# Altium PCB RK_NVR_DEMO1_RK3588_LP4XD200P232SD8_V21_20211228_final_lint.PcbDoc (part 14 of 29) (continued)
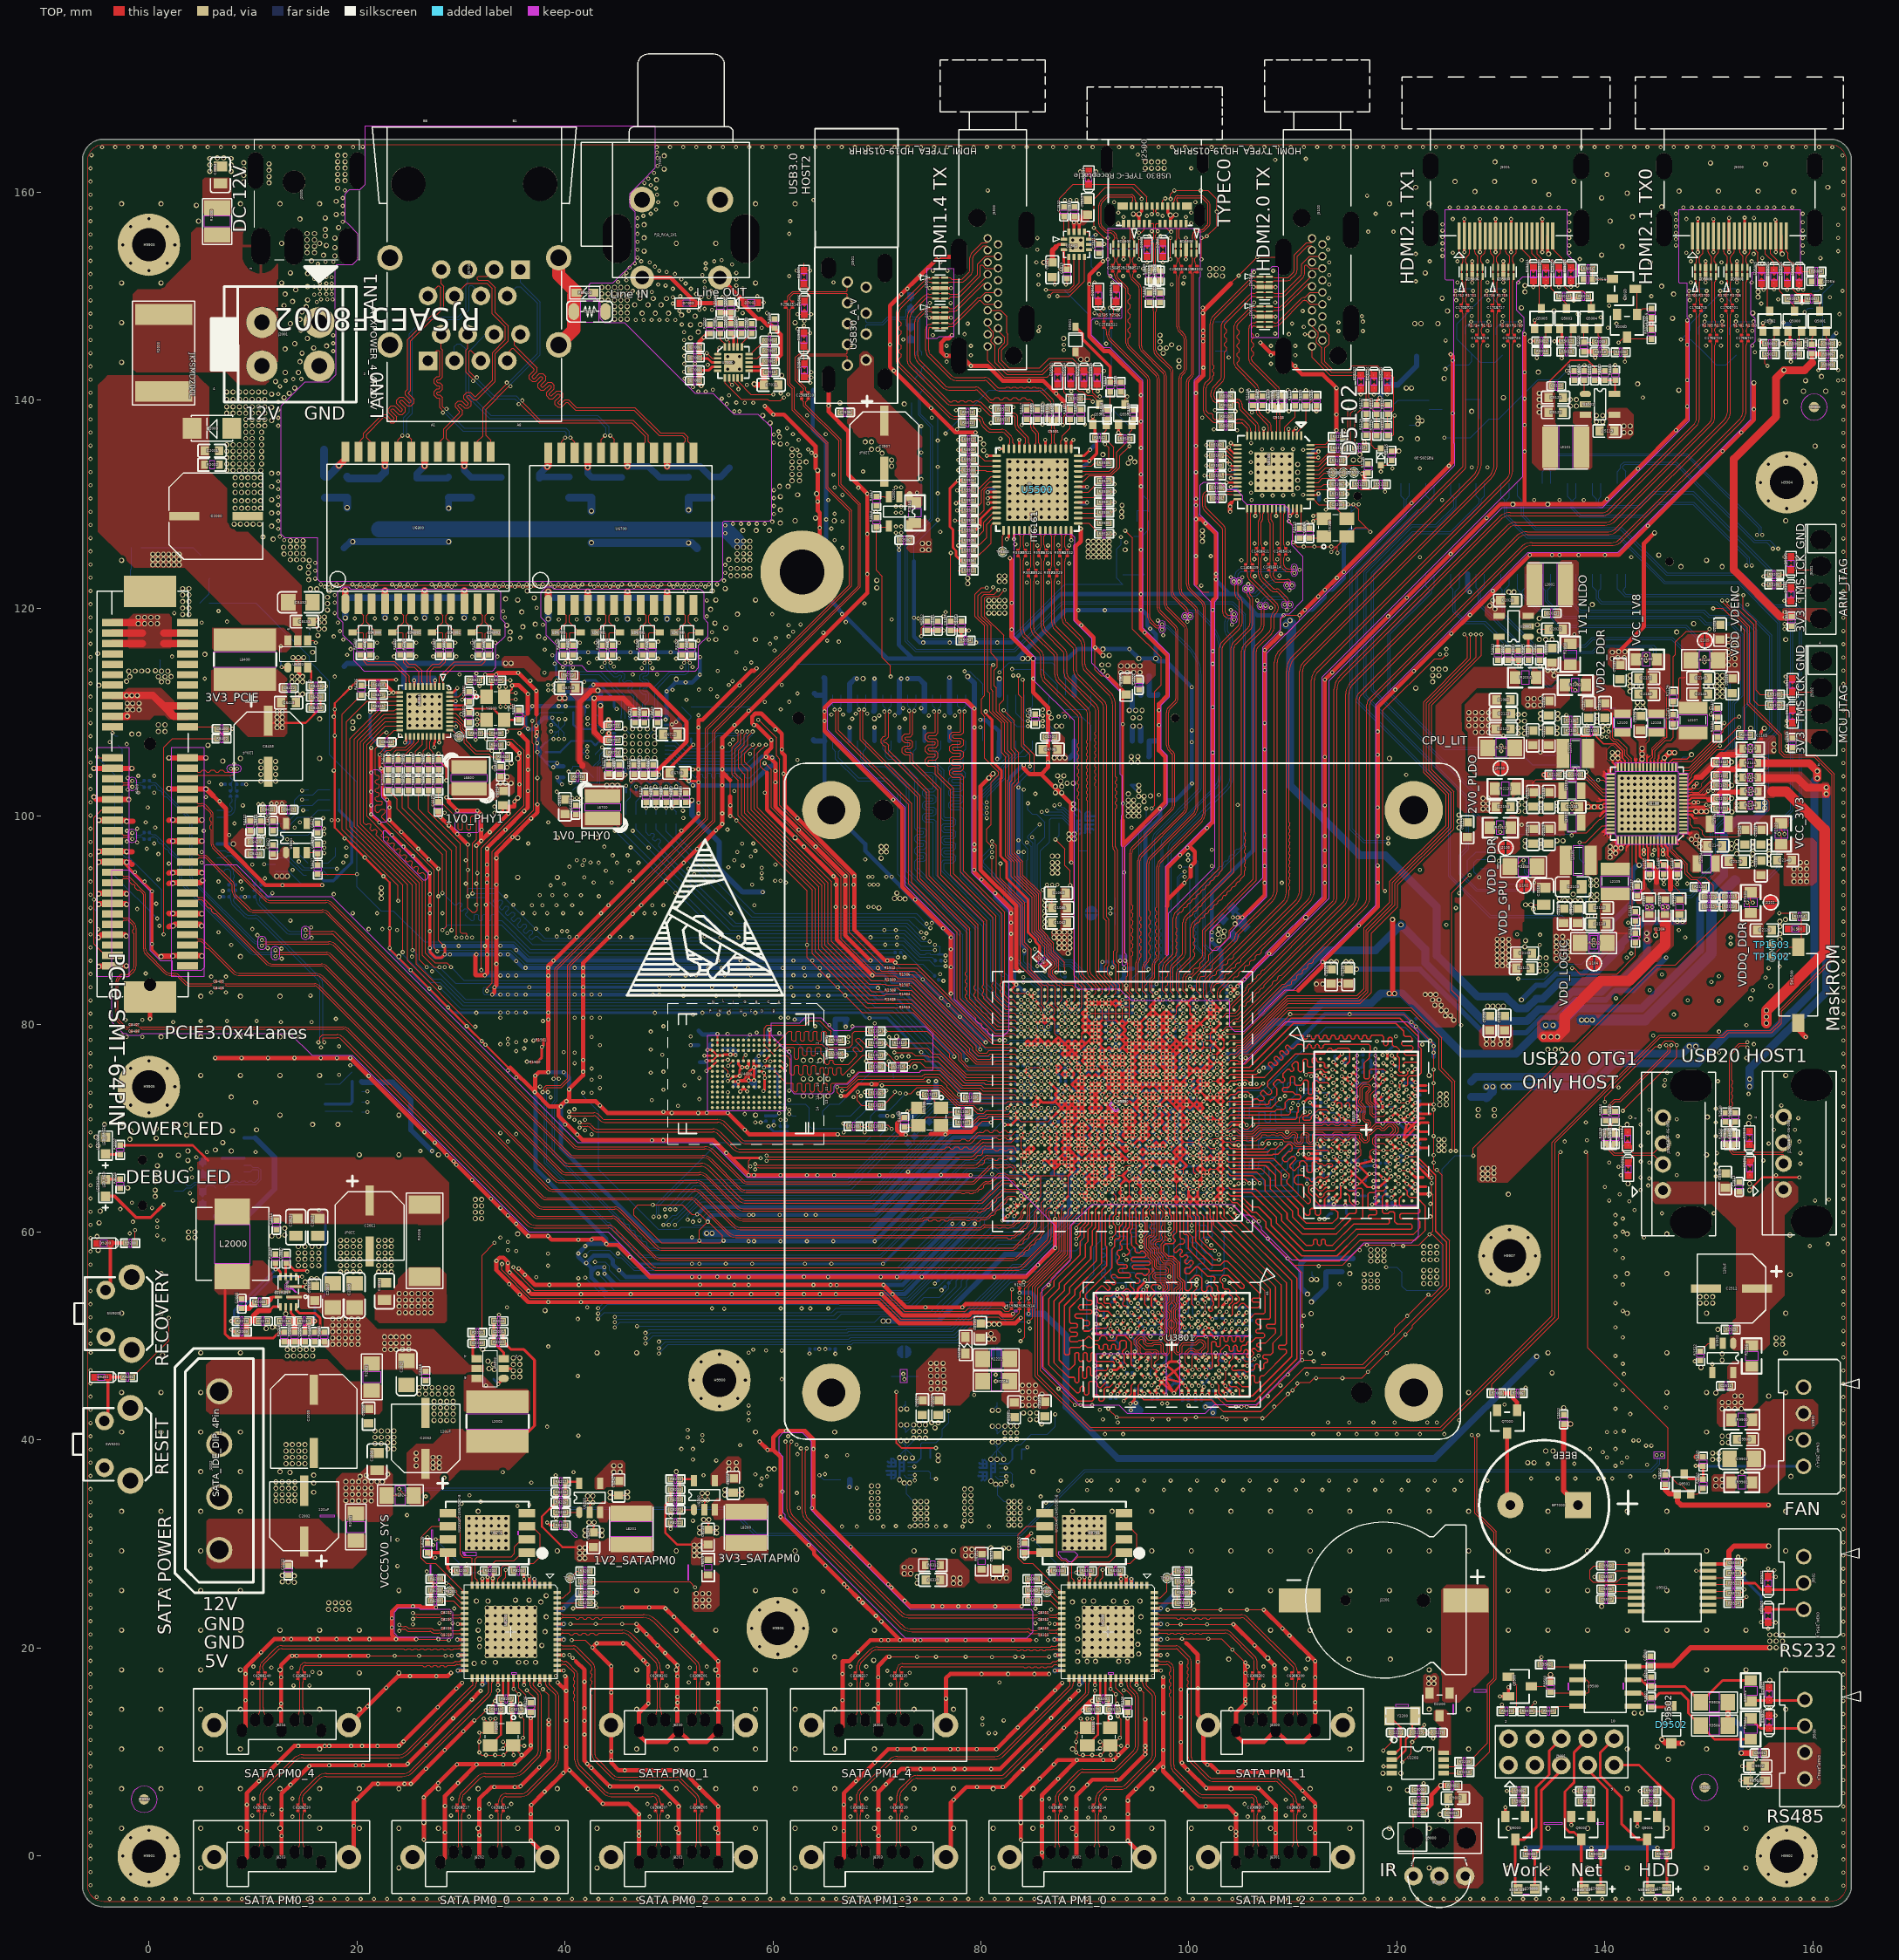
[diagram p0: TOP view]
## Nets (pads, with @x,y where several pads share a name; then routed paths per layer and width w, separated by ;. In a path a pad name is that pad's centre, name@x,y a point inside that pad or via, vN(x,y) a via of type N, cw(c..) or ccw(c..) an arc to the next point about the centre after c; other vN are vias at no path point) (continued)
  other v2: 77.817,24.016 68.267,24.727 67.149,25.845 71.823,31.738 76.598,31.738 52.315,32.246 35.45,33.668 36.567,33.77 30.065,33.871 86.25,33.973 31.894,34.075 30.822,34.703 90.212,35.192 68.063,35.395 142.435,36.513 144.772,36.513 39.113,36.62 53.331,36.615 40.835,36.919 144.06,37.63 134.51,37.732 137.05,37.732 54.551,38.037 52.315,38.139 51.198,39.154 141.012,39.154 62.272,39.561 61.459,40.374 91.939,40.576 93.667,40.576 111.955,40.576 114.393,40.576 116.12,40.576 118.051,40.576 119.981,40.576 122.216,40.576 124.553,40.576 141.825,40.882 38.295,41.288 145.889,43.117 104.538,43.218 105.046,43.218 105.554,43.218 108.195,43.218 99.966,43.32 130.344,43.422 97.426,43.523 97.934,43.523 107.586,44.234 109.516,44.437 108.805,45.25 110.431,45.453 41.241,46.165 111.345,46.368 106.697,48.121 112.971,48.298 38.396,49.01 83.71,50.534 84.726,50.736 111.04,51.956 34.434,52.769 35.653,53.988 34.637,55.004 114.495,55.004 115.409,56.832 102.887,57.849 120.591,58.661 102.15,58.738 89.171,58.839 92.473,58.865 89.171,59.881 92.494,59.979 100.271,60.135 49.674,61.506 123.232,61.506 123.232,62.725 105.3,64.681 106.316,64.707 29.557,66.485 4.563,67.196 28.643,67.399 5.579,67.704 10.253,67.704 26.103,67.806 108.319,68.488 57.294,71.362 53.636,71.463 61.561,71.768 61.155,71.971 68.47,73.089 105.427,73.089 118.641,73.207 72.229,73.368 61.561,73.597 141.317,73.902 106.506,74.244 105.372,74.253 110.71,74.714 21.124,75.019 18.279,75.121 67.667,75.433 89.716,75.831 116.196,76.34 41.749,76.543 66.641,76.576 118.635,77.026 49.369,77.051 61.558,77.356 48.251,77.559 116.73,77.559 117.924,77.61 16.552,77.762 18.279,77.864 31.995,78.372 69.892,78.728 14.419,78.779 67.251,78.778 52.087,78.804 55.643,79.058 48.251,79.287 49.471,79.795 12.691,80.201 15.638,80.201 4.97,80.303 7.51,80.303 10.355,80.303 37.888,80.302 17.975,80.506 52.315,80.912 54.754,80.912 57.294,80.912 15.536,82.741 61.967,82.741 63.39,82.741 65.32,82.741 36.567,83.554 66.235,83.554 63.085,84.671 65.32,84.671 27.22,85.078 28.439,85.484 12.768,86.297 25.29,86.5 12.742,87.262 11.421,87.313 15.638,88.303 30.065,88.329 31.081,88.329 32.503,88.329 147.718,88.329 39.209,88.43 10.431,88.557 28.682,88.747 74.754,88.735 23.867,89.04 147.108,89.04 9.948,89.142 21.124,89.142 22.445,89.142 15.612,89.294 75.277,89.727 13.606,89.955 19.6,90.666 35.958,90.666 37.075,90.666 38.295,90.666 39.819,90.666 41.546,90.666 66.031,91.275 67.759,91.275 69.181,91.275 31.487,91.479 32.402,91.479 35.043,91.479 34.332,92.291 43.273,92.291 37.583,92.393 38.802,92.393 40.123,92.393 41.546,92.393 17.771,92.494 8.932,93.002 66.031,93.409 86.859,93.409 87.367,93.409 30.471,93.511 31.487,93.511 32.503,93.612 42.765,93.612 44.492,93.612 8.831,93.714 11.167,94.019 13.818,94.831 79.341,94.831 9.948,95.339 32.503,95.339 18.686,95.542 30.471,95.746 26.915,95.847 18.991,96.152 16.857,96.457 102.201,96.762 25.899,96.863 10.558,96.965 11.066,96.965 16.857,96.965 18.991,96.965 48.048,96.965 43.781,97.066 64.101,97.067 36.466,97.371 16.857,97.473 13.301,97.778 18.813,97.854 10.558,98.082 11.066,98.082 30.776,98.184 16.857,98.286 24.274,98.489 31.995,98.692 62.475,98.692 16.857,98.794 14.012,98.895 14.52,99.403 38.396,99.403 17.568,99.606 18.178,99.606 16.755,99.81 62.374,99.81 10.935,100.093 28.439,100.318 33.215,100.318 33.215,100.927 104.69,101.08 41.572,101.206 40.733,101.74 41.139,101.74 41.546,101.74 85.234,102.147 59.224,102.248 39.209,102.35 25.214,105.982 26.026,105.982 102.303,106.109 139.718,107.633 140.19,107.633 60.24,108.344 97.121,108.751 70.222,109.665 74.998,109.665 76.496,109.665 77.512,109.665 71.721,109.69 65.625,109.766 66.743,109.766 67.962,109.843 69.079,109.843 97.121,110.173 72.508,110.376 74.261,110.376 102.303,110.478 59.224,110.986 28.846,112.307 60.85,112.611 29.862,113.627 48.861,113.627 102.303,114.643 102.303,115.863 53.839,116.98 61.51,117.285 97.527,117.386 54.144,117.691 104.131,118.402 99.864,118.707 97.02,118.809 73.982,119.012 76.395,119.215 59.935,119.418 76.598,119.622 102.303,119.825 104.03,119.825 109.415,119.825 107.891,120.028 106.57,120.739 129.227,121.654 109.669,121.73 69.079,123.279 142.536,124.905 72.127,125.591 69.079,127.14 71.823,127.242 65.625,127.648 71.823,127.851 72.331,127.851 71.823,129.172 72.331,129.172 69.892,129.274 71.823,129.782 72.331,129.782 65.32,130.391 133.189,130.391 135.627,130.391 137.964,130.391 140.199,130.493 71.823,131.61 72.331,131.61 95.394,131.712 65.828,132.83 143.654,140.247 110.227,143.295 107.891,143.498 107.891,144.311 110.228,144.311 154.423,144.615 140.301,146.952 141.114,147.358 139.59,147.968 140.403,149.086 155.033,149.289 156.659,149.695 141.927,149.797 144.467,150 137.355,151.016
  other v5: 0,-2.5 157.48,-2.5 -1.768,-1.768 1.768,-1.768 155.712,-1.768 159.248,-1.768 4.984,-1.135 24.034,-1.135 43.084,-1.135 62.134,-1.135 81.184,-1.135 100.234,-1.135 119.284,-1.135 123.094,-1.135 130.714,-1.135 134.524,-1.135 138.334,-1.135 142.144,-1.135 149.764,-1.135 153.574,-1.135 -2.5,0 2.5,0 154.98,0 159.98,0 -1.768,1.768 1.768,1.768 155.712,1.768 159.248,1.768 0,2.5 157.48,2.5 -2.636,2.675 4.984,2.675 8.794,2.675 12.604,2.675 16.414,2.675 20.224,2.675 24.034,2.675 27.844,2.675 31.654,2.675 35.464,2.675 39.274,2.675 43.084,2.675 50.704,2.675 54.514,2.675 58.324,2.675 62.134,2.675 65.944,2.675 69.754,2.675 73.564,2.675 77.374,2.675 81.184,2.675 84.994,2.675 88.804,2.675 92.614,2.675 96.424,2.675 100.234,2.675 104.044,2.675 107.854,2.675 111.664,2.675 115.474,2.675 119.284,2.675 123.094,2.675 130.714,2.675 134.524,2.675 138.334,2.675 145.954,2.675 149.764,2.675 153.574,2.675 124.858,3.391 124.147,4.001 -2.636,6.485 1.174,6.485 4.984,6.485 8.794,6.485 12.604,6.485 16.414,6.485 20.224,6.485 24.034,6.485 27.844,6.485 142.144,6.485 146.092,9.284 -2.636,10.295 1.174,10.295 4.984,10.295 8.794,10.295 12.604,10.295 16.414,10.295 142.144,10.295 149.764,10.295 112.158,13.856 -2.636,14.105 1.174,14.105 4.984,14.105 8.794,14.105 12.604,14.105 16.414,14.105 20.224,14.105 46.894,14.105 50.704,14.105 157.384,14.105 16.414,17.61 -2.636,17.915 1.174,17.915 4.984,17.915 8.794,17.915 12.604,17.915 46.894,17.915 69.689,18.834 103.827,18.936 111.447,18.936 115.409,18.936 119.371,18.936 107.586,19.038 65.93,19.139 60.469,19.408 58.701,20.14 62.237,20.14 -2.636,21.725 1.174,21.725 4.984,21.725 8.794,21.725 12.604,21.725 65.944,21.725 69.754,21.725 107.854,21.725 111.664,21.725 115.474,21.725 119.284,21.725 123.094,21.725 57.969,21.908 62.969,21.908 -2.636,25.535 1.174,25.535 4.984,25.535 8.794,25.535 24.034,25.535 104.044,25.535 107.854,25.535 115.474,25.535 119.284,25.535 123.094,25.535 130.714,25.535 134.524,25.535 138.334,25.535 145.954,25.535 13.978,26.327 13.403,26.353 12.827,26.374 13.978,26.937 12.827,26.983 -2.636,29.345 1.174,29.345 4.984,29.345 96.424,29.345 100.234,29.345 104.044,29.345 107.854,29.345 111.664,29.345 115.474,29.345 119.284,29.345 123.094,29.345 126.904,29.345 130.714,29.345 134.524,29.345 138.334,29.345 142.144,29.345 145.954,29.345 30.776,29.629 31.487,29.629 32.199,29.629 32.91,29.629 33.621,29.629 88.053,29.629 88.764,29.629 89.476,29.629 90.187,29.629 90.898,29.629 91.609,29.629 30.776,30.341 31.487,30.341 32.199,30.341 32.91,30.341 88.053,30.341 88.764,30.341 89.476,30.341 90.187,30.341 90.898,30.341 91.609,30.341 30.776,31.052 31.487,31.052 32.199,31.052 88.053,31.052 88.764,31.052 89.476,31.052 90.187,31.052 90.898,31.052 91.609,31.052 30.776,31.763 31.487,31.763 88.053,31.763 88.764,31.763 89.476,31.763 90.187,31.763 90.898,31.763 91.609,31.763 30.776,32.474 88.053,32.474 88.764,32.474 89.476,32.474 90.187,32.474 90.898,32.474 91.609,32.474 -2.636,33.155 1.174,33.155 4.984,33.155 8.794,33.155 88.804,33.155 92.614,33.155 96.424,33.155 100.234,33.155 12.209,34.151 1.174,36.965 4.984,36.965 8.794,36.965 84.994,36.965 -2.636,40.775 1.174,40.775 4.984,40.775 85.843,41.567 75.277,41.694 75.887,41.694 84.726,41.974 85.361,41.974 54.855,43.258 53.088,43.991 56.623,43.991 -2.636,44.585 1.174,44.585 126.904,44.585 145.954,44.585 52.355,45.758 57.355,45.758 149.242,46.978 53.088,47.526 56.623,47.526 151.274,47.689 1.312,48.197 54.855,48.258 151.274,48.298 46.894,48.395 145.954,48.395 150.867,50.635 -2.636,52.205 1.174,52.205 149.764,52.205 149.14,53.175 149.75,53.175 150.359,53.175 149.14,53.785 149.75,53.785 150.359,53.785 128.719,54.293 130.827,55.222 129.059,55.954 132.595,55.954 1.174,56.015 128.327,57.722 133.327,57.722 -4.885,58.255 132.595,59.49 -4.987,59.576 35.464,59.825 142.144,59.825 145.954,59.825 130.827,60.222 -4.784,60.897 -4.682,62.014 0.601,63.437 0.601,64.046 -2.041,64.25 142.231,64.656 0.601,64.859 0.601,65.469 0.804,66.383 1.109,67.399 149.764,67.445 -4.885,68.314 -1.837,68.923 0.703,69.025 -5.089,69.126 -1.736,69.736 0.703,69.939 -4.276,70.346 142.13,70.346 -2.549,70.447 153.814,70.447 149.851,71.057 153.916,71.057 -2.636,71.255 0,71.478 -1.768,72.21 -2.5,73.978 -1.768,75.746 0,76.478 1.174,78.774 -2.636,78.875 154.017,82.436 86.148,89.853 86.148,90.361 86.148,90.869 125.975,99.505 125.975,100.114 34.84,105.093 35.464,105.545 -1.634,107.887 -0.999,107.887 -4.809,112.586 -2.142,112.967 -4.936,115.634 37.482,117.285 34.739,117.691 35.958,118.199 34.408,118.352 37.152,118.453 35.856,119.622 35.464,120.785 34.307,120.892 37.05,120.993 17.162,121.044 17.33,121.654 36.38,121.654 51.62,121.654 54.16,121.654 16.146,121.857 78.731,122.365 81.779,122.568 82.287,122.568 15.358,122.734 78.731,122.873 81.779,123.076 82.287,123.076 55.948,123.101 15.333,123.381 55.948,123.813 56.557,123.813 14.52,123.889 151.274,123.991 15.358,124.004 -2.636,124.595 15.435,124.6 149.764,124.595 56.557,124.625 57.167,124.625 57.776,124.625 13.606,124.651 14.215,124.651 14.825,124.651 55.77,124.655 12.996,125.21 56.557,125.235 57.167,125.235 57.776,125.235 13.606,125.26 14.215,125.26 14.825,125.26 12.954,125.845 56.557,125.845 57.167,125.845 57.776,125.845 13.606,125.87 14.215,125.87 14.825,125.87 57.167,126.454 57.776,126.454 13.606,126.48 14.215,126.48 14.825,126.48 11.951,126.623 10.964,126.835 57.113,127.47 58.383,127.47 59.653,127.47 11.802,127.885 8.196,128.08 8.805,128.08 9.415,128.08 10.024,128.08 10.634,128.08 60.707,128.178 157.384,128.405 82.77,128.74 83.532,128.74 84.294,128.74 85.056,128.74 85.818,128.74 86.58,128.74 87.342,128.74 88.104,128.74 11.802,129.155 60.723,129.448 82.77,129.502 83.532,129.502 84.294,129.502 85.056,129.502 85.818,129.502 86.58,129.502 87.342,129.502 88.104,129.502 157.48,129.58 8.297,129.604 8.907,129.604 9.516,129.604 10.126,129.604 10.736,129.604 82.77,130.264 83.532,130.264 84.294,130.264 85.056,130.264 85.818,130.264 86.58,130.264 87.342,130.264 88.104,130.264 8.297,130.315 8.907,130.315 9.516,130.315 10.126,130.315 10.736,130.315 155.712,130.312 159.248,130.312 11.802,130.425 60.723,130.718 62.374,130.899 64.203,131.001 82.77,131.026 83.532,131.026 84.294,131.026 85.056,131.026 85.818,131.026 86.58,131.026 87.342,131.026 88.104,131.026 8.297,131.128 8.907,131.128 9.516,131.128 10.126,131.128 10.736,131.128 11.802,131.695 60.647,131.712 61.459,131.712 82.77,131.788 83.532,131.788 84.294,131.788 85.056,131.788 85.818,131.788 86.58,131.788 87.342,131.788 88.104,131.788 8.297,131.839 8.907,131.839 9.516,131.839 10.126,131.839 10.736,131.839 154.98,132.08 159.98,132.08 61.84,132.245 62.552,132.245 8.297,132.55 8.907,132.55 9.516,132.55 10.126,132.55 10.736,132.55 82.77,132.55 83.532,132.55 84.294,132.55 85.056,132.55 85.818,132.55 86.58,132.55 88.104,132.55 87.367,132.626 61.84,132.855 62.552,132.855 11.802,132.965 10.761,133.236 7.484,133.261 8.094,133.261 8.704,133.261 9.313,133.261 9.923,133.261 82.77,133.312 83.532,133.312 84.294,133.312 85.056,133.312 85.818,133.312 86.58,133.312 87.342,133.312 88.104,133.312 61.84,133.465 62.552,133.465 155.712,133.848 159.248,133.848 7.484,133.871 8.094,133.871 8.704,133.871 9.313,133.871 9.923,133.871 10.837,133.871 63.187,134.049 84.319,134.049 85.031,134.049 85.843,134.049 61.84,134.074 62.552,134.074 82.77,134.074 83.532,134.074 87.342,134.074 88.104,134.074 7.484,134.481 8.094,134.481 8.704,134.481 9.313,134.481 9.923,134.481 10.837,134.481 157.48,134.58 61.84,134.684 62.552,134.684 7.484,135.09 8.094,135.09 8.704,135.09 9.313,135.09 9.923,135.09 10.837,135.09 61.84,135.293 160.215,135.573 7.484,135.7 8.094,135.7 8.704,135.7 9.313,135.7 9.923,135.7 10.837,135.7 60.723,135.798 9.313,136.309 9.923,136.309 10.837,136.309 60.647,136.487 9.313,136.919 9.923,136.919 10.837,136.919 9.313,137.529 9.923,137.529 10.532,137.529 11.142,137.529 59.732,137.808 139.191,137.91 11.802,138.045 9.313,138.138 9.923,138.138 10.532,138.138 11.142,138.138 59.021,138.519 139.191,138.519 7.484,138.748 8.094,138.748 8.704,138.748 9.313,138.748 9.923,138.748 10.532,138.748 11.142,138.748 11.802,139.315 7.484,139.357 8.094,139.357 8.704,139.357 9.313,139.357 9.923,139.357 10.532,139.357 11.142,139.357 66.438,139.739 157.384,139.835 7.484,140.069 8.094,140.069 8.704,140.069 9.313,140.069 9.923,140.069 10.532,140.069 11.142,140.069 12.996,140.247 11.802,140.585 13.504,140.653 7.484,140.78 8.094,140.78 8.704,140.78 9.313,140.78 9.923,140.78 10.532,140.78 11.142,140.78 159.097,140.856 161.231,140.856 14.012,141.161 12.174,141.799 159.3,141.872 160.824,142.279 60.85,142.38 13.108,142.659 14.378,142.659 55.668,142.99 56.786,142.99 56.202,143.625 -2.636,143.645 14.52,143.701 55.668,144.209 56.786,144.209 14.723,144.514 13.098,144.92 15.841,145.022 97.223,145.022 97.832,145.022 17.086,145.211 98.34,145.327 14.012,145.428 97.223,145.631 15.231,145.936 52.087,145.981 97.223,146.241 52.823,146.546 14.622,146.749 52.087,147.251 53.027,147.257 13.606,147.359 -2.636,147.455 62.134,147.455 14.52,147.765 44.772,147.79 45.381,147.79 45.991,147.79 146.499,147.867 52.519,148.07 51.224,148.183 47.425,148.349 48.695,148.349 49.965,148.349 154.22,148.375 44.772,148.4 45.381,148.4 45.991,148.4 14.723,148.476 124.858,148.578 131.97,148.883 15.13,148.984 44.772,149.009 45.381,149.009 45.991,149.009 12.996,149.086 46.713,149.162 47.983,149.162 49.253,149.162 13.809,149.492 43.552,149.619 44.162,149.619 44.772,149.619 45.381,149.619 45.991,149.619 15.257,149.638 47.221,149.771 48.491,149.771 49.761,149.771 124.35,149.797 13.098,150.203 146.6,150.203 43.552,150.229 44.162,150.229 44.772,150.229 45.381,150.229 45.991,150.229 14.114,150.61 43.552,150.838 44.162,150.838 44.772,150.838 45.381,150.838 45.991,150.838 15.257,150.908 145.446,150.96 -2.636,151.265 1.174,151.265 12.757,151.265 58.324,151.265 15.257,152.178 13.606,152.235 122.724,152.235 0,152.44 -1.768,153.172 1.768,153.172 144.365,153.251 15.637,153.39 17.873,153.861 16.783,153.937 139.692,153.963 15.206,154.191 15.917,154.191 47.616,154.332 17.873,154.674 141.636,154.77 15.206,154.801 15.917,154.801 17.06,154.877 -2.5,154.94 2.5,154.94 12.757,155.075 16.414,155.075 50.704,155.075 54.514,155.075 15.206,155.41 15.917,155.41 17.873,155.588 47.616,155.602 16.959,155.791 15.206,156.02 15.917,156.02 16.959,156.401 18.241,156.604 -1.768,156.708 1.768,156.708 47.616,156.872 4.767,157.214 140.504,157.214 14.52,157.417 0,157.44 16.959,157.519 142.638,157.62 18,157.851 145.446,158.58 4.563,158.738 -2.636,158.885 1.174,158.885 8.794,158.885 12.604,158.885 16.414,158.885 50.704,158.885 58.324,158.885 62.134,158.885 119.284,158.885 123.094,158.885 18,159.121 139.692,159.449 134.612,159.754 142.144,159.901 127.5,160.059 158.183,160.059 147.123,160.104 150.933,160.104 154.743,160.104 18.158,160.381 121.81,160.465 161.434,160.465 11.548,160.897 9.11,160.998 125.584,161.019 129.394,161.019 133.204,161.019 137.014,161.019 18.152,161.1 18.864,161.1 48.81,161.188 11.548,161.506 9.11,161.608 140.2,161.684 18.152,161.709 18.864,161.709 5.859,162.014 7.891,162.014 11.548,162.116 9.11,162.217 49.547,162.222 95.8,162.294 96.41,162.294 97.02,162.294 97.629,162.294 18.152,162.319 18.864,162.319 5.859,162.624 7.891,162.624 155.44,162.7 11.548,162.725 150.156,162.802 9.11,162.827 95.8,162.903 96.41,162.903 97.02,162.903 97.629,162.903 129.43,162.903 18.152,162.929 18.864,162.929 5.859,163.233 7.891,163.233 6.57,163.284 7.18,163.284 49.547,163.492 18.152,163.538 18.864,163.538
  other v6: 38.053,6.198 110.931,6.294 99.323,6.371 42.224,6.462 94.901,6.454 49.293,6.541 101.651,6.541 106.697,6.541 52.945,6.571 33.205,6.642 35.178,6.642 79.623,6.642 82.102,6.642 44.34,6.693 35.744,6.733 90.226,6.859 70.872,6.911 29.717,7.031 67.989,7.203 92.988,7.354 87.426,7.437 85.633,7.448 51.782,7.735 39.849,7.994 102.785,8.09 105.452,8.09 109.135,8.09 45.762,8.247 48.099,8.247 51.036,8.247 96.697,8.25 40.428,8.258 99.873,8.319 84.02,8.375 72.943,8.382 74.185,8.382 75.483,8.382 77.436,8.382 78.441,8.382 80.981,8.382 42.544,8.489 37.54,8.529 101.795,8.776 29.608,8.827 31.513,8.827 34.053,8.827 35.159,8.827 42.155,8.878 99.331,8.988 69.785,8.999 120.514,9.03 44.451,9.233 32.402,9.716 33.291,9.716 34.098,9.716 35.069,9.716 35.831,9.716 31.767,9.97 44.451,10.055 38.447,10.115 118.686,10.148 28.441,10.2 71.974,10.288 74.642,10.288 77.054,10.288 77.792,10.288 79.594,10.288 81.475,10.288 34.053,10.351 40.123,10.503 36.085,10.605 36.72,10.641 26.679,10.674 121.473,10.967 31.767,10.986 119.46,11.214 123.489,11.293 31.767,11.875 122.953,11.87 30.237,11.996 122.623,12.611 31.284,13.043 29.252,13.246 27.775,14.317 22.823,16.187 25.101,17.31 27.641,17.31 19.321,19.266 21.099,19.266 23.639,19.266 15.504,20.866 16.222,20.866 18.044,20.866 19.321,20.866 21.2,20.866 23.766,20.866 42.962,22.314 70.433,22.561 69.892,23.102 43.029,23.914 75.379,24.016 42.943,24.319 68.637,24.357 72.667,24.556 68.267,24.727 71.397,25.826 67.149,25.845 153.484,28.537 152.805,28.791 84.853,31.052 66.641,31.687 68.076,31.687 70.616,31.687 73.156,31.687 75.696,31.687 78.236,31.687 80.776,31.687 71.823,31.738 76.598,31.738 52.315,32.246 60.723,32.617 84.624,33.465 62.488,33.478 63.74,33.483 35.45,33.668 36.567,33.77 30.065,33.871 86.25,33.973 31.894,34.075 26.614,34.586 63.898,34.583 85.742,34.582 62.304,34.919 60.925,35.041 87.436,35.159 90.212,35.192 92.515,35.217 95.055,35.217 97.595,35.217 100.135,35.217 102.675,35.217 105.215,35.217 107.755,35.217 110.295,35.217 112.835,35.217 115.375,35.217 117.915,35.217 120.455,35.217 122.995,35.217 125.535,35.217 128.075,35.217 68.063,35.395 58.818,35.649 36.771,35.903 87.672,36.106 90.212,36.106 90.619,36.106 93.159,36.106 95.699,36.106 98.239,36.106 100.779,36.106 103.319,36.106 105.859,36.106 108.399,36.106 110.939,36.106 113.479,36.106 116.019,36.106 118.559,36.106 121.099,36.106 123.639,36.106 126.179,36.106 128.719,36.106 132.909,36.31 135.449,36.31 137.151,36.31 28.41,36.382 59.427,36.513 142.435,36.513 144.772,36.513 39.113,36.62 53.331,36.615 58.31,36.716 34.028,36.919 40.835,36.919 141.012,37.529 144.06,37.63 134.51,37.732 137.05,37.732 54.551,38.037 52.315,38.139 140.199,38.342 142.13,38.342 62.374,38.646 59.478,39.053 51.198,39.154 63.898,39.154 141.012,39.154 58.716,39.866 122.216,40.576 124.553,40.576 141.012,40.78 141.825,40.882 141.012,43.015 145.889,43.117 130.344,43.422 38.396,53.277 35.653,53.988 70.437,54.039 71.516,54.037 36.484,54.34 70.626,54.928 34.637,55.004 70.375,55.69 71.924,55.69 36.148,55.893 34.688,56.136 35.551,56.49 70.576,56.96 34.511,57.036 33.418,57.239 35.323,60.795 49.674,61.506 34.511,61.608 33.792,62.319 48.455,62.624 38.392,64.939 70.248,65.469 72.993,65.801 55.516,67.628 26.103,67.806 34.511,68.72 49.441,68.843 66.235,69.406 35.323,69.431 33.792,69.533 57.3,69.832 57.294,71.362 61.561,71.362 52.813,71.463 53.636,71.463 55.668,71.463 61.561,71.768 61.155,71.971 61.561,72.682 66.539,73.089 68.47,73.089 77.893,73.241 55.668,73.444 37.101,73.47 56.859,73.518 57.522,73.521 59.097,73.571 61.561,73.597 66.184,73.952 69.486,74.232 55.668,74.534 59.216,74.823 35.323,74.867 56.811,75.019 37.142,75.035 87.116,75.181 59.136,75.299 67.667,75.433 34.511,75.527 61.155,75.527 57.04,75.857 57.522,75.857 40.936,76.238 59.23,76.471 41.749,76.543 66.641,76.576 71.899,76.772 77.43,76.868 53.408,76.969 49.369,77.051 40.936,77.254 39.881,77.294 74.261,77.305 61.558,77.356 35.323,77.407 48.251,77.559 79.93,77.559 145.279,77.864 43.375,77.966 146.905,77.966 33.792,78.067 34.511,78.067 80.459,78.236 35.323,78.27 36.212,78.423 81.805,78.451 34.511,78.575 69.892,78.728 42.562,78.779 67.251,78.778 52.087,78.804 144.655,78.895 54.668,79.058 55.643,79.058 60.621,79.137 58.442,79.185 48.251,79.287 49.471,79.795 67.657,79.794 65.422,79.896 37.888,80.302 38.396,80.455 69.283,80.582 33.792,80.607 40.936,80.607 41.749,80.607 42.562,80.607 43.375,80.607 77.988,80.706 52.315,80.912 54.754,80.912 57.294,80.912 146.631,80.922 53.23,81.09 55.77,81.09 58.31,81.09 33.792,81.115 34.511,81.115 35.323,81.115 36.212,81.115 38.396,81.115 28.763,81.604 76.866,81.828 150.969,82.233 147.965,82.29 141.063,82.487 76.192,82.502 61.967,82.741 63.39,82.741 65.32,82.741 64.38,82.766 66.946,82.766 33.011,82.842 33.792,82.842 34.511,82.842 35.323,82.842 36.212,82.842 38.396,82.842 40.936,82.842 41.749,82.842 42.562,82.842 43.375,82.842 77.112,82.944 144.305,83.249 26.967,83.4 70.095,83.477 33.215,83.551 36.567,83.554 41.749,83.554 61.767,83.551 64.307,83.551 66.235,83.554 150.236,84.059 74.396,84.298 150.969,84.606 33.792,84.671 34.511,84.671 35.323,84.671 38.396,84.671 41.749,84.671 63.085,84.671 65.32,84.671 32.295,84.694 61.967,84.694 64.486,84.694 69.556,84.694 145.483,84.773 27.22,85.078 25.171,85.196 36.212,85.408 38.396,85.408 40.936,85.408 41.749,85.408 60.951,85.405 62.983,85.405 64.507,85.405 70.095,85.405 28.439,85.484 77.112,85.484 76.598,85.586 33.418,85.789 71.772,85.916 35.323,86.068 38.904,86.119 61.967,86.116 63.796,86.116 69.384,86.116 71.01,86.116 25.29,86.5 76.598,86.602 28.439,86.703 28.947,86.703 31.487,86.703 32.516,86.703 33.792,86.703 34.511,86.703 35.323,87.11 77.106,87.207 23.156,87.313 27.017,87.313 28.338,87.516 29.774,87.516 32.314,87.516 33.792,87.535 63.288,87.618 75.582,87.618 70.8,87.642 71.924,87.642 30.065,88.329 77.112,88.329 147.718,88.329 46.397,88.354 69.382,88.348 71.924,88.348 40.441,88.37 41.139,88.37 45.308,88.377 44.314,88.405 39.209,88.43 131.563,88.634 28.682,88.747 74.754,88.735 27.017,88.938 23.867,89.04 147.108,89.04 70.72,89.053 71.823,89.053 38.312,89.124 22.445,89.142 37.214,89.178 23.156,89.218 76.362,89.211 75.277,89.727 46.524,90.611 27.017,90.662 28.236,90.662 35.958,90.666 37.075,90.666 38.295,90.666 39.819,90.666 41.546,90.666 43.476,90.662 47.642,90.662 48.658,90.662 82.897,90.669 66.031,91.275 66.946,91.275 67.759,91.275 69.181,91.275 69.689,91.275 27.017,91.434 36.821,91.434 37.837,91.434 39.184,91.434 40.708,91.434 44.187,91.434 47.337,91.434 48.404,91.434 49.471,91.434 31.487,91.479 32.402,91.479 35.043,91.479 73.686,91.977 27.83,92.291 30.675,92.291 34.332,92.291 43.273,92.291 37.583,92.393 38.802,92.393 40.123,92.393 41.546,92.393 27.017,92.494 81.373,92.596 50.634,92.616 38.632,93.34 33.418,93.409 66.031,93.409 66.946,93.409 67.759,93.409 69.283,93.409 69.689,93.409 70.095,93.409 39.899,93.489 30.471,93.511 31.487,93.511 32.503,93.612 42.765,93.612 44.492,93.612 46.524,93.714 49.702,93.793 80.052,93.917 41.851,94.12 69.181,94.171 69.587,94.171 70.908,94.171 65.828,94.222 66.946,94.222 67.809,94.222 32.516,94.323 52.43,94.412 27.017,94.526 31.589,94.526 43.942,94.755 46.228,94.755 30.675,94.831 27.83,94.942 51.886,94.956 40.428,95.136 41.695,95.285 32.503,95.339 43.247,95.517 45,95.517 47.082,95.517 51.426,95.517 30.471,95.746 41.851,95.746 26.915,95.847 33.418,95.949 54.157,96.139 25.391,96.152 44.594,96.228 46.034,96.228 52.722,96.838 25.899,96.863 32.516,96.863 53.829,96.914 48.048,96.965 46.321,96.99 24.477,97.066 43.781,97.066 62.983,97.067 64.101,97.067 31.487,97.168 30.675,97.27 36.466,97.371 53.339,97.455 31.945,97.625 34.957,97.969 107.281,98.082 113.072,98.082 118.152,98.082 23.359,98.184 30.776,98.184 29.659,98.286 32.778,98.459 24.274,98.489 44.797,98.59 46.524,98.59 51.198,98.616 54.518,98.634 31.995,98.692 34.285,98.685 62.475,98.692 55.625,98.71 28.846,99.098 55.135,99.251 22.14,99.403 38.396,99.403 56.501,99.586 17.568,99.606 23.135,99.637 36.753,99.765 62.374,99.81 51.388,99.822 28.033,99.911 55.897,100.013 31.945,100.165 34.574,100.255 52.849,100.267 55.135,100.267 28.439,100.318 33.215,100.318 33.824,100.318 36.081,100.481 29.659,100.521 31.589,100.521 97.223,100.724 23.135,100.823 118.152,100.826 33.215,100.927 55.897,101.029 113.072,101.029 104.69,101.08 37.355,101.13 41.572,101.206 52.849,101.283 35.148,101.41 22.902,101.588 40.733,101.74 41.139,101.74 41.546,101.74 28.592,101.791 59.224,102.248 39.209,102.35 107.281,102.35 36.44,102.426 46.845,102.841 48.683,102.845 49.741,102.841 47.811,102.849 50.706,102.858 45.88,102.925 52.315,102.957 55.135,102.959 35.628,103.061 39.717,103.061 52.849,103.264 60.24,103.264 51.909,103.366 28.592,103.442 37.355,103.67 39.26,103.719 27.322,103.899 61.022,104.082 41.241,104.267 60.24,104.356 52.315,104.483 52.823,104.509 55.135,104.509 38.879,104.712 39.26,105.093 62.374,105.398 59.927,105.634 42.155,105.702 59.326,105.702 113.072,105.702 118.152,105.906 23.978,105.94 26.873,105.94 25.214,105.982 26.026,105.982 42.155,106.21 60.85,106.414 107.281,106.414 43.578,106.617 55.135,106.617 42.155,106.718 55.871,106.922 59.847,107.314 24.172,107.734 22.848,108.043 43.578,108.141 118.152,108.141 60.24,108.344 52.849,108.522 67.369,108.522 69.769,108.522 72.17,108.522 74.57,108.522 76.97,108.522 79.37,108.522 56.303,108.751 58.183,108.75 107.281,108.954 64.97,109.157 79.951,109.258 49.674,109.284 67.619,109.36 72.699,109.36 70.222,109.665 74.998,109.665 76.496,109.665 77.512,109.665 71.721,109.69 52.849,109.704 65.625,109.766 66.743,109.766 30.04,109.817 67.962,109.843 69.079,109.843 64.97,110.071 57.667,110.14 60.748,110.275 44.975,110.3 79.37,110.351 72.508,110.376 74.261,110.376 59.224,110.986 61.564,110.989 30.116,111.189 51.687,111.189 54.645,111.5 62.374,111.799 31.36,111.937 49.775,112.002 50.354,112.154 119.837,112.162 52.894,112.169 54.024,112.186 28.846,112.307 56.795,112.572 55.763,112.618 60.85,112.611 51.604,112.865 56.125,112.98 23.766,113.119 113.072,113.119 68.063,113.221 69.769,113.221 72.331,113.221 72.94,113.221 76.97,113.322 52.976,113.602 29.862,113.627 48.861,113.627 113.773,113.82 54.69,113.965 121.633,113.958 107.281,114.034 57.337,114.193 58.435,114.213 107.281,114.542 57.921,114.776 56.486,115.761 60.154,115.931 107.281,115.964 108.856,117.539 125.225,117.551 104.131,118.402 99.864,118.707 119.162,119.209 109.11,119.317 110.634,119.317 127.021,119.347 89.376,119.808 104.03,119.825 109.415,119.825 111.142,119.825 107.891,120.028 68.804,120.463 106.57,120.739 120.958,121.005 112.43,121.113 126.991,121.552 129.227,121.654 109.669,121.73 113.072,121.755 114.226,122.909 69.079,123.279 114.901,123.471 142.536,124.905 132.783,125.108 134.922,125.108 135.627,125.108 137.462,125.108 140.002,125.108 72.127,125.591 66.692,125.808 72.111,125.997 65.93,126.53 69.079,127.14 92.854,127.14 71.823,127.242 72.331,127.242 65.625,127.648 89.603,127.648 64.507,127.722 71.823,127.851 72.331,127.851 144.127,127.918 66.692,128.348 75.852,128.495 65.117,128.525 65.93,129.07 71.823,129.172 72.331,129.172 69.892,129.274 92.854,129.477 71.823,129.782 72.331,129.782 92.854,130.188 64.304,130.254 65.32,130.391 133.189,130.391 135.627,130.391 137.964,130.391 140.199,130.493 66.692,130.888 69.079,131.001 75.852,131.035 92.854,131.204 68.216,131.585 65.93,131.61 71.823,131.61 72.331,131.61 92.854,131.915 74.261,132.423 65.828,132.83 68.669,133.138 143.164,133.421 75.852,133.575 74.261,134.963 75.852,136.115 65.077,136.73 146.841,137.099 74.261,137.503 75.21,139.241 143.654,140.247 87.237,140.624 100.677,140.684 88.688,140.856 90.314,140.856 91.228,140.856 84.624,141.872 147.921,141.938 71.618,142.833 101.388,143.122 110.227,143.295 138.033,143.363 140.987,143.37 107.891,143.498 125.366,143.819 107.891,144.311 110.228,144.311 125.163,144.412 154.423,144.615 140.301,146.952 141.114,147.358 139.59,147.968 140.403,149.086 155.033,149.289 156.659,149.695 141.927,149.797 144.467,150 155.262,150.61 156.265,150.66 135.582,150.855 133.118,150.889 134.32,150.914 136.733,150.914 137.355,151.016